# Allegro board HB1A-AAFM.brd (continued)
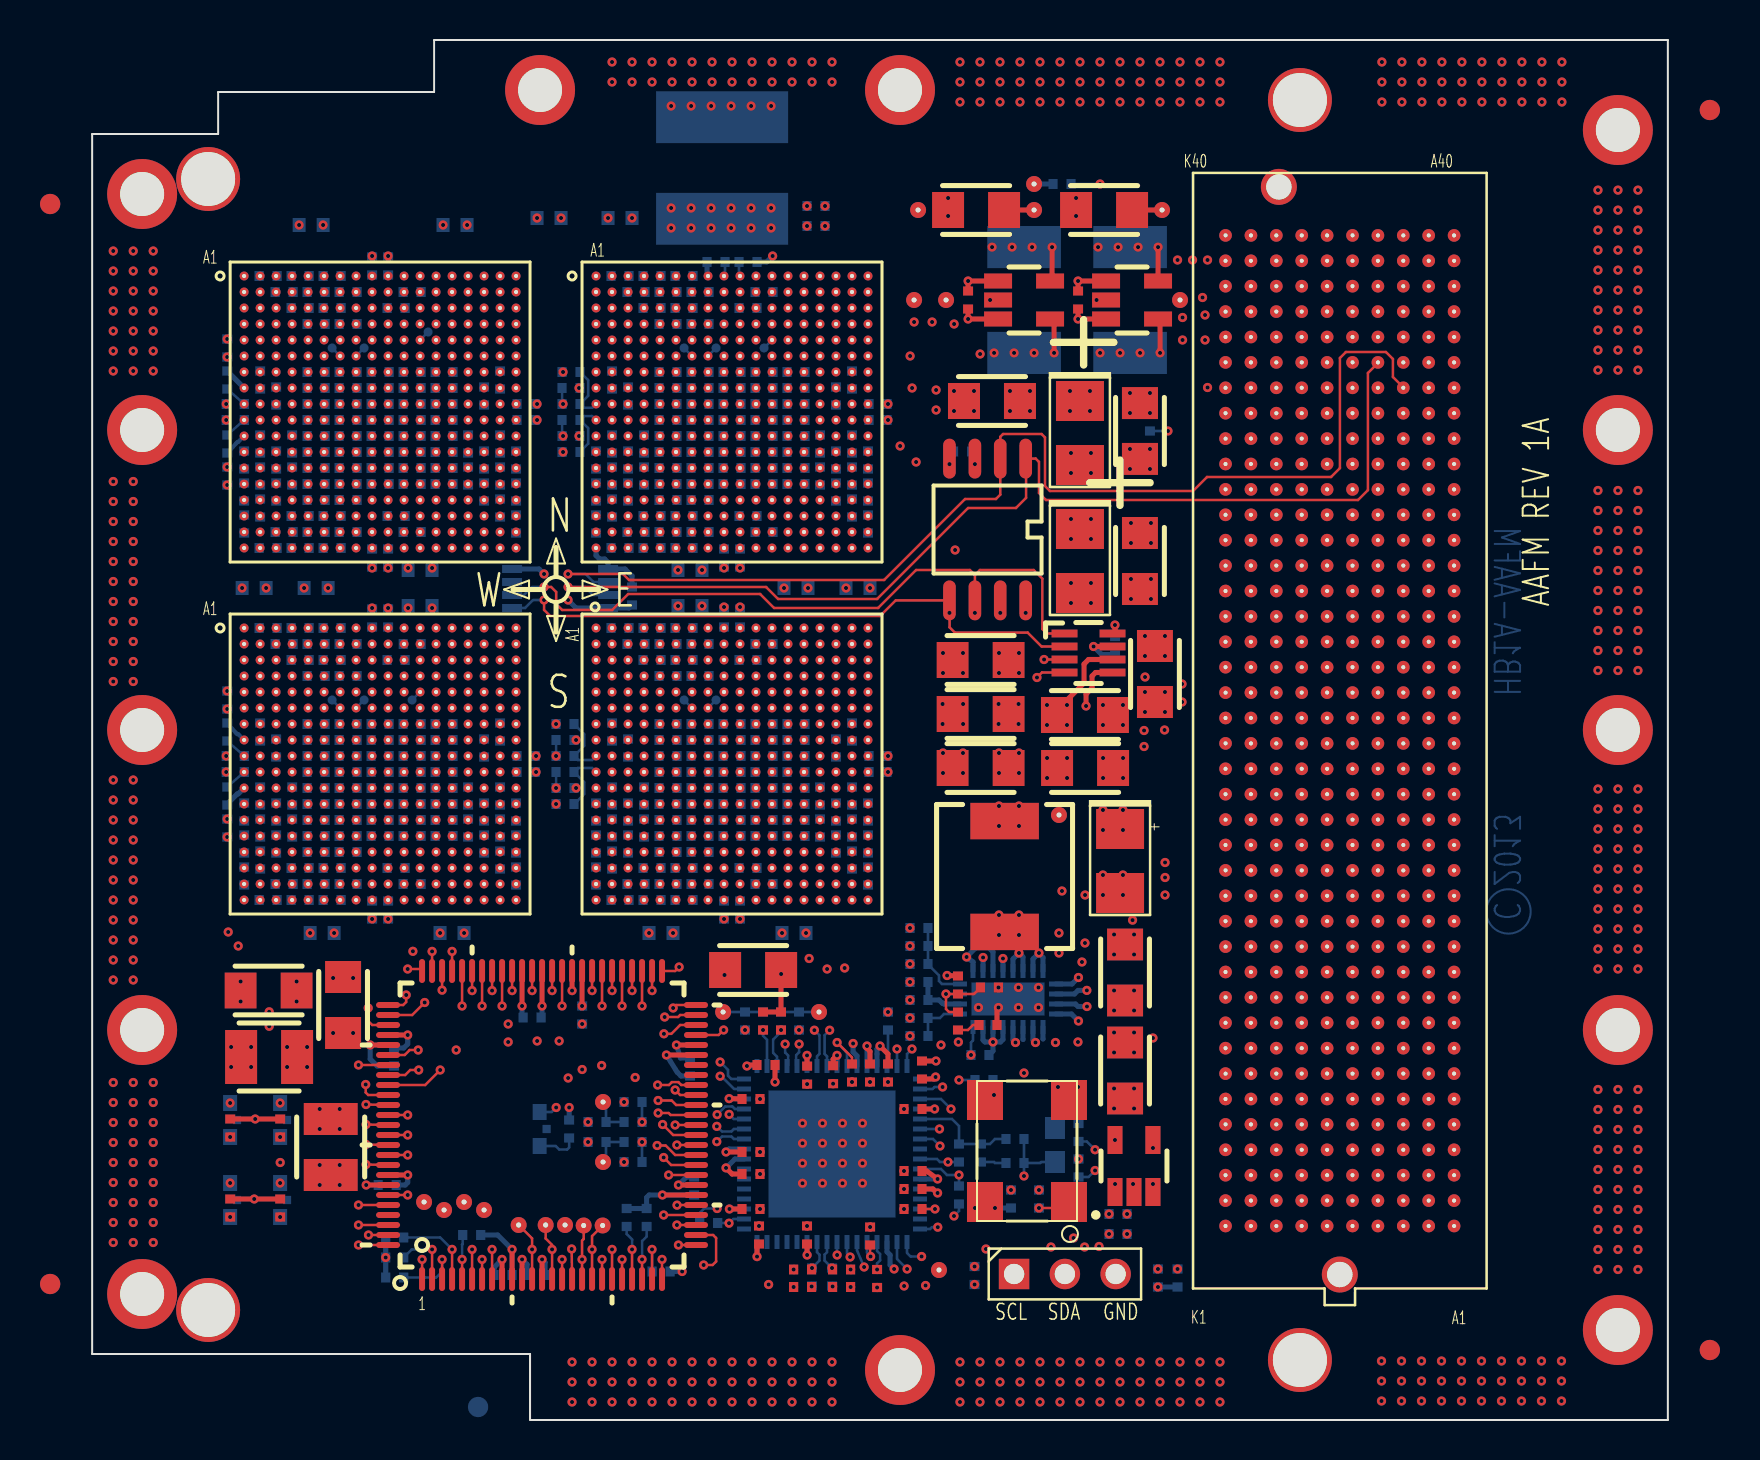
[diagram p0: board, top side]
## Routing (per net, layer and track width the routed paths; a pad name or vN(x,y) marks a point on that pad's centre or on a via; arc(x,y) is an arc through that point) (continued)
 20.07,27.12 ; U7.U17 20.73,27.12 ; U7.U17 20.07,26.48 ; 34.47,35.27 U8.F13 ; U8.F13 35.12,35.27 ; U8.F13 34.47,35.92 ; U8.F13 35.12,35.92 ; 36.88,27.27 U8.T16 ; U8.T16 37.52,27.27 ; U8.T16 37.52,27.93 ; U8.T16 36.88,27.93 ; 67.72,49.95 P1.A33 ; P1.A33 68.5,50.73 ; P1.A33 67.72,50.73 ; P1.A33 68.5,49.95 ; U4.L1 25.52,48.88 ; U4.L1 25.52,49.52 ; U4.L1 24.88,48.88 ; U4.L1 24.88,49.52 ; 11.2,54.4 U3.E5 ; P1.K12 57.07,24.06 ; P1.K12 56.29,24.06 ; P1.K12 57.07,23.28 ; P1.K12 56.29,23.28 ; 31.27,31.12 U8.M9 ; U8.M9 31.27,30.48 ; U8.M9 31.92,30.48 ; U8.M9 31.92,31.12 ; P1.F24 62.15,39.3 ; P1.F24 61.37,39.3 ; P1.F24 61.37,38.52 ; P1.F24 62.15,38.52 ; 11.27,52.73 U3.G6 ; U3.G6 11.92,52.73 ; U3.G6 11.27,52.08 ; U3.G6 11.92,52.08 ; 24.88,34.33 U8.H1 ; U8.H1 25.52,33.67 ; U8.H1 25.52,34.33 ; U8.H1 24.88,33.67 ; P1.G29 60.88,44.87 ; P1.G29 60.1,44.87 ; P1.G29 60.88,45.65 ; P1.G29 60.1,45.65 ; 65.18,33.44 P1.C20 ; P1.C20 65.96,34.22 ; P1.C20 65.18,34.22 ; P1.C20 65.96,33.44 ; 17.67,50.48 U3.J14 ; U3.J14 18.32,51.12 ; U3.J14 17.67,51.12 ; U3.J14 18.32,50.48 ; 29.67,34.33 U8.H7 ; U8.H7 29.67,33.67 ; U8.H7 30.32,34.33 ; U8.H7 30.32,33.67 ; 66.45,42.33 P1.B27 ; P1.B27 66.45,43.11 ; P1.B27 67.23,43.11 ; P1.B27 67.23,42.33 ; U8.V8 31.12,25.68 ; U8.V8 30.47,26.32 ; U8.V8 31.12,26.32 ; U8.V8 30.47,25.68 ; U4.N10 32.72,47.27 ; U4.N10 32.08,47.92 ; U4.N10 32.08,47.27 ; U4.N10 32.72,47.92 ; 28.88,35.12 U8.G6 ; U8.G6 29.52,35.12 ; U8.G6 29.52,34.48 ; U8.G6 28.88,34.48 ; 62.64,59.62 P1.E40 ; P1.E40 63.42,59.62 ; P1.E40 63.42,58.84 ; P1.E40 62.64,58.84 ; 63.91,11.85 P1.D3 ; P1.D3 64.69,11.85 ; P1.D3 64.69,12.63 ; P1.D3 63.91,12.63 ; 16.88,51.92 U3.H13 ; U3.H13 17.52,51.92 ; U3.H13 16.88,51.27 ; U3.H13 17.52,51.27 ; P1.C38 65.96,56.3 ; P1.C38 65.18,56.3 ; P1.C38 65.18,57.08 ; P1.C38 65.96,57.08 ; P1.J23 58.34,38.03 ; P1.J23 58.34,37.25 ; P1.J23 57.56,37.25 ; P1.J23 57.56,38.03 ; 10.48,47.12 U3.P5 ; U3.P5 11.12,47.12 ; U3.P5 10.48,46.48 ; U3.P5 11.12,46.48 ; 28.07,48.73 U4.M5 ; U4.M5 28.72,48.73 ; U4.M5 28.72,48.08 ; U4.M5 28.07,48.08 ; U7.V8 13.52,25.68 ; U7.V8 13.52,26.32 ; U7.V8 12.88,25.68 ; U7.V8 12.88,26.32 ; U4.V11 33.52,43.27 ; U4.V11 33.52,43.92 ; U4.V11 32.88,43.27 ; U4.V11 32.88,43.92 ; 34.47,31.12 U8.M13 ; U8.M13 34.47,30.48 ; U8.M13 35.12,30.48 ; U8.M13 35.12,31.12 ; 66.45,57.57 P1.B39 ; P1.B39 67.23,57.57 ; P1.B39 66.45,58.35 ; P1.B39 67.23,58.35 ; U3.E13 17.52,53.67 ; U3.E13 16.88,54.33 ; U3.E13 16.88,53.67 ; U3.E13 17.52,54.33 ; 67.72,10.09 P1.A1 ; P1.A1 68.5,9.31 ; P1.A1 67.72,9.31 ; P1.A1 68.5,10.09 ; 12,53.6 U3.F6 ; 35.27,29.68 U8.N14 ; U8.N14 35.92,29.68 ; U8.N14 35.27,30.32 ; U8.N14 35.92,30.32 ; 20.07,44.73 U3.U17 ; U3.U17 20.73,44.73 ; U3.U17 20.07,44.08 ; U3.U17 20.73,44.08 ; U4.G12 34.33,52.08 ; U4.G12 33.67,52.08 ; U4.G12 33.67,52.73 ; U4.G12 34.33,52.73 ; 60.1,10.09 P1.G1 ; P1.G1 60.1,9.31 ; P1.G1 60.88,9.31 ; P1.G1 60.88,10.09 ; U7.N8 13.52,29.68 ; U7.N8 12.88,29.68 ; U7.N8 13.52,30.32 ; U7.N8 12.88,30.32 ; P1.B11 67.23,22.01 ; P1.B11 66.45,22.79 ; P1.B11 67.23,22.79 ; P1.B11 66.45,22.01 ; U3.N14 18.32,47.92 ; U3.N14 18.32,47.27 ; U3.N14 17.67,47.92 ; U3.N14 17.67,47.27 ; 34.47,28.88 U8.P13 ; U8.P13 34.47,29.52 ; U8.P13 35.12,28.88 ; U8.P13 35.12,29.52 ; 57.56,15.17 P1.J5 ; P1.J5 58.34,14.39 ; P1.J5 58.34,15.17 ; P1.J5 57.56,14.39 ; 36.88,55.92 U4.C16 ; U4.C16 37.52,55.92 ; U4.C16 36.88,55.27 ; U4.C16 37.52,55.27 ; 9.67,28.73 U7.R4 ; U7.R4 10.32,28.07 ; U7.R4 9.67,28.07 ; U7.R4 10.32,28.73 ; 36.08,54.48 U4.D15 ; U4.D15 36.72,54.48 ; U4.D15 36.72,55.12 ; U4.D15 36.08,55.12 ; P1.E26 63.42,41.06 ; P1.E26 63.42,41.84 ; P1.E26 62.64,41.84 ; P1.E26 62.64,41.06 ; 61.37,16.44 P1.F6 ; P1.F6 62.15,15.66 ; P1.F6 61.37,15.66 ; P1.F6 62.15,16.44 ; U4.H11 33.52,51.92 ; U4.H11 32.88,51.92 ; U4.H11 32.88,51.27 ; U4.H11 33.52,51.27 ; 58.83,23.28 P1.H12 ; P1.H12 59.61,23.28 ; P1.H12 59.61,24.06 ; P1.H12 58.83,24.06 ; 60.1,59.62 P1.G40 ; P1.G40 60.1,58.84 ; P1.G40 60.88,58.84 ; P1.G40 60.88,59.62 ; 16.88,49.67 U3.K13 ; U3.K13 17.52,50.33 ; U3.K13 16.88,50.33 ; U3.K13 17.52,49.67 ; U3.E14 18.32,53.67 ; U3.E14 18.32,54.33 ; U3.E14 17.67,53.67 ; U3.E14 17.67,54.33 ; P1.D37 64.69,55.81 ; P1.D37 63.91,55.03 ; P1.D37 63.91,55.81 ; P1.D37 64.69,55.03 ; P1.F3 62.15,11.85 ; P1.F3 61.37,11.85 ; P1.F3 62.15,12.63 ; P1.F3 61.37,12.63 ; 66.45,37.25 P1.B23 ; P1.B23 66.45,38.03 ; P1.B23 67.23,38.03 ; P1.B23 67.23,37.25 ; 14.48,51.12 U3.J10 ; U3.J10 14.48,50.48 ; U3.J10 15.12,51.12 ; U3.J10 15.12,50.48 ; 57.56,52.49 P1.J35 ; P1.J35 58.34,52.49 ; P1.J35 58.34,53.27 ; P1.J35 57.56,53.27 ; 8.07,44.73 U3.U2 ; U3.U2 8.73,44.08 ; U3.U2 8.73,44.73 ; U3.U2 8.07,44.08 ; U8.C16 37.52,38.33 ; U8.C16 36.88,37.67 ; U8.C16 36.88,38.33 ; U8.C16 37.52,37.67 ; 62.64,37.25 P1.E23 ; P1.E23 62.64,38.03 ; P1.E23 63.42,37.25 ; P1.E23 63.42,38.03 ; U7.G8 13.52,34.48 ; U7.G8 12.88,34.48 ; U7.G8 12.88,35.12 ; U7.G8 13.52,35.12 ; 61.37,10.58 P1.F2 ; P1.F2 62.15,11.36 ; P1.F2 62.15,10.58 ; P1.F2 61.37,11.36 ; U4.V18 39.12,43.27 ; U4.V18 38.47,43.27 ; U4.V18 39.12,43.92 ; U4.V18 38.47,43.92 ; P1.A25 68.5,39.79 ; P1.A25 67.72,39.79 ; P1.A25 68.5,40.57 ; P1.A25 67.72,40.57 ; 65.18,18.2 P1.C8 ; P1.C8 65.96,18.2 ; P1.C8 65.18,18.98 ; P1.C8 65.96,18.98 ; 57.56,56.3 P1.J38 ; P1.J38 57.56,57.08 ; P1.J38 58.34,57.08 ; P1.J38 58.34,56.3 ; U4.P9 31.92,46.48 ; U4.P9 31.27,46.48 ; U4.P9 31.92,47.12 ; U4.P9 31.27,47.12 ; U7.L18 21.52,31.27 ; U7.L18 21.52,31.93 ; U7.L18 20.88,31.93 ; U7.L18 20.88,31.27 ; U4.H7 30.32,51.92 ; U4.H7 29.67,51.27 ; U4.H7 30.32,51.27 ; U4.H7 29.67,51.92 ; 12.88,56.88 U3.A8 ; U3.A8 12.88,57.52 ; U3.A8 13.52,57.52 ; U3.A8 13.52,56.88 ; 24.88,51.92 U4.H1 ; U4.H1 25.52,51.92 ; U4.H1 25.52,51.27 ; U4.H1 24.88,51.27 ; 7.27,31.27 U7.L1 ; U7.L1 7.92,31.93 ; U7.L1 7.27,31.93 ; U7.L1 7.92,31.27 ; 24.88,43.92 U4.V1 ; U4.V1 25.52,43.92 ; U4.V1 25.52,43.27 ; U4.V1 24.88,43.27 ; P1.C24 65.96,39.3 ; P1.C24 65.96,38.52 ; P1.C24 65.18,39.3 ; P1.C24 65.18,38.52 ; U7.H18 21.52,34.33 ; U7.H18 21.52,33.67 ; U7.H18 20.88,33.67 ; U7.H18 20.88,34.33 ; U7.V1 7.92,26.32 ; U7.V1 7.27,25.68 ; U7.V1 7.92,25.68 ; U7.V1 7.27,26.32 ; U8.E14 35.92,36.73 ; U8.E14 35.27,36.08 ; U8.E14 35.27,36.73 ; U8.E14 35.92,36.08 ; U3.B2 8.73,56.08 ; U3.B2 8.73,56.73 ; U3.B2 8.07,56.08 ; U3.B2 8.07,56.73 ; U4.G10 32.72,52.73 ; U4.G10 32.72,52.08 ; U4.G10 32.08,52.73 ; U4.G10 32.08,52.08 ; P1.C1 65.96,10.09 ; P1.C1 65.18,9.31 ; P1.C1 65.18,10.09 ; P1.C1 65.96,9.31 ; P1.B22 67.23,35.98 ; P1.B22 66.45,36.76 ; P1.B22 66.45,35.98 ; P1.B22 67.23,36.76 ; 32.88,39.92 U8.A11 ; U8.A11 33.52,39.92 ; U8.A11 32.88,39.27 ; U8.A11 33.52,39.27 ; P1.J32 58.34,49.46 ; P1.J32 57.56,48.68 ; P1.J32 58.34,48.68 ; P1.J32 57.56,49.46 ; 34.47,49.67 U4.K13 ; U4.K13 34.47,50.33 ; U4.K13 35.12,50.33 ; U4.K13 35.12,49.67 ; U4.R4 27.92,46.33 ; U4.R4 27.27,45.67 ; U4.R4 27.92,45.67 ; U4.R4 27.27,46.33 ; 34.47,48.08 U4.M13 ; U4.M13 35.12,48.08 ; U4.M13 34.47,48.73 ; U4.M13 35.12,48.73 ; 62.64,22.01 P1.E11 ; P1.E11 63.42,22.01 ; P1.E11 63.42,22.79 ; P1.E11 62.64,22.79 ; 65.18,20.25 P1.C9 ; P1.C9 65.18,19.47 ; P1.C9 65.96,20.25 ; P1.C9 65.96,19.47 ; 10.48,51.92 U3.H5 ; U3.H5 11.12,51.27 ; U3.H5 10.48,51.27 ; U3.H5 11.12,51.92 ; 25.67,56.73 U4.B2 ; U4.B2 26.32,56.08 ; U4.B2 26.32,56.73 ; U4.B2 25.67,56.08 ; 63.91,10.58 P1.D2 ; P1.D2 63.91,11.36 ; P1.D2 64.69,10.58 ; P1.D2 64.69,11.36 ; 33.67,47.27 U4.N12 ; U4.N12 33.67,47.92 ; U4.N12 34.33,47.92 ; U4.N12 34.33,47.27 ; P1.F36 62.15,53.76 ; P1.F36 61.37,54.54 ; P1.F36 61.37,53.76 ; P1.F36 62.15,54.54 ; 66.45,46.14 P1.B30 ; P1.B30 66.45,46.92 ; P1.B30 67.23,46.14 ; P1.B30 67.23,46.92 ; U3.L8 13.52,48.88 ; U3.L8 13.52,49.52 ; U3.L8 12.88,49.52 ; U3.L8 12.88,48.88 ; 12.88,39.27 U7.A8 ; U7.A8 12.88,39.92 ; U7.A8 13.52,39.92 ; U7.A8 13.52,39.27 ; 58.83,11.85 P1.H3 ; P1.H3 59.61,11.85 ; P1.H3 58.83,12.63 ; P1.H3 59.61,12.63 ; U7.E6 11.92,36.08 ; U7.E6 11.27,36.08 ; U7.E6 11.92,36.73 ; U7.E6 11.27,36.73 ; 26.48,27.27 U8.T3 ; U8.T3 26.48,27.93 ; U8.T3 27.12,27.27 ; U8.T3 27.12,27.93 ; U4.E13 35.12,54.33 ; U4.E13 35.12,53.67 ; U4.E13 34.47,54.33 ; U4.E13 34.47,53.67 ; 35.27,52.73 U4.G14 ; U4.G14 35.27,52.08 ; U4.G14 35.92,52.08 ; U4.G14 35.92,52.73 ; U8.K11 33.52,32.08 ; U8.K11 32.88,32.73 ; U8.K11 32.88,32.08 ; U8.K11 33.52,32.73 ; P1.K27 57.07,42.33 ; P1.K27 57.07,43.11 ; P1.K27 56.29,43.11 ; P1.K27 56.29,42.33 ; 61.37,58.35 P1.F39 ; P1.F39 61.37,57.57 ; P1.F39 62.15,58.35 ; P1.F39 62.15,57.57 ; U8.M7 30.32,31.12 ; U8.M7 30.32,30.48 ; U8.M7 29.67,30.48 ; U8.M7 29.67,31.12 ; P1.J14 58.34,25.82 ; P1.J14 57.56,25.82 ; P1.J14 58.34,26.6 ; P1.J14 57.56,26.6 ; U3.G14 18.32,52.08 ; U3.G14 18.32,52.73 ; U3.G14 17.67,52.73 ; U3.G14 17.67,52.08 ; P1.K24 57.07,38.52 ; P1.K24 56.29,39.3 ; P1.K24 56.29,38.52 ; P1.K24 57.07,39.3 ; 27.27,28.07 U8.R4 ; U8.R4 27.92,28.73 ; U8.R4 27.27,28.73 ; U8.R4 27.92,28.07 ; 66.45,25.82 P1.B14 ; P1.B14 67.23,26.6 ; P1.B14 66.45,26.6 ; P1.B14 67.23,25.82 ; 29.67,47.12 U4.P7 ; U4.P7 30.32,46.48 ; U4.P7 29.67,46.48 ; U4.P7 30.32,47.12 ; 12.07,49.67 U3.K7 ; U3.K7 12.73,49.67 ; U3.K7 12.07,50.33 ; U3.K7 12.73,50.33 ; U4.P13 35.12,46.48 ; U4.P13 35.12,47.12 ; U4.P13 34.47,46.48 ; U4.P13 34.47,47.12 ; 61.37,31.68 P1.F18 ; P1.F18 62.15,31.68 ; P1.F18 62.15,30.9 ; P1.F18 61.37,30.9 ; P1.H27 59.61,43.11 ; P1.H27 58.83,43.11 ; P1.H27 58.83,42.33 ; P1.H27 59.61,42.33 ; U8.M11 33.52,31.12 ; U8.M11 32.88,30.48 ; U8.M11 32.88,31.12 ; U8.M11 33.52,30.48 ; 12.88,51.12 U3.J8 ; U3.J8 13.52,50.48 ; U3.J8 13.52,51.12 ; U3.J8 12.88,50.48 ; U8.M5 28.72,31.12 ; U8.M5 28.72,30.48 ; U8.M5 28.07,30.48 ; U8.M5 28.07,31.12 ; 60.1,41.06 P1.G26 ; P1.G26 60.88,41.06 ; P1.G26 60.1,41.84 ; P1.G26 60.88,41.84 ; 34.47,32.73 U8.K13 ; U8.K13 35.12,32.08 ; U8.K13 35.12,32.73 ; U8.K13 34.47,32.08 ; 20.07,38.48 U7.B17 ; U7.B17 20.73,38.48 ; U7.B17 20.07,39.12 ; U7.B17 20.73,39.12 ; P1.A17 68.5,30.41 ; P1.A17 67.72,30.41 ; P1.A17 68.5,29.63 ; P1.A17 67.72,29.63 ; P1.J11 58.34,22.79 ; P1.J11 57.56,22.79 ; P1.J11 57.56,22.01 ; P1.J11 58.34,22.01 ; P1.G32 60.88,49.46 ; P1.G32 60.88,48.68 ; P1.G32 60.1,48.68 ; P1.G32 60.1,49.46 ; P1.G11 60.88,22.79 ; P1.G11 60.88,22.01 ; P1.G11 60.1,22.79 ; P1.G11 60.1,22.01 ; 11.27,48.88 U3.L6 ; U3.L6 11.92,48.88 ; U3.L6 11.92,49.52 ; U3.L6 11.27,49.52 ; P1.K21 57.07,35.49 ; P1.K21 56.29,35.49 ; P1.K21 57.07,34.71 ; P1.K21 56.29,34.71 ; 63.91,16.44 P1.D6 ; P1.D6 64.69,16.44 ; P1.D6 63.91,15.66 ; P1.D6 64.69,15.66 ; U4.R15 36.72,45.67 ; U4.R15 36.72,46.33 ; U4.R15 36.08,45.67 ; U4.R15 36.08,46.33 ; 14.48,30.32 U7.N10 ; U7.N10 15.12,29.68 ; U7.N10 14.48,29.68 ; U7.N10 15.12,30.32 ; P1.F12 62.15,24.06 ; P1.F12 61.37,24.06 ; P1.F12 62.15,23.28 ; P1.F12 61.37,23.28 ; P1.E20 63.42,34.22 ; P1.E20 63.42,33.44 ; P1.E20 62.64,34.22 ; P1.E20 62.64,33.44 ; 66.45,16.44 P1.B6 ; P1.B6 67.23,16.44 ; P1.B6 67.23,15.66 ; P1.B6 66.45,15.66 ; U3.H9 14.32,51.27 ; U3.H9 13.67,51.27 ; U3.H9 14.32,51.92 ; U3.H9 13.67,51.92 ; 57.56,10.09 P1.J1 ; P1.J1 58.34,9.31 ; P1.J1 57.56,9.31 ; P1.J1 58.34,10.09 ; U8.J8 31.12,32.88 ; U8.J8 30.47,32.88 ; U8.J8 30.47,33.52 ; U8.J8 31.12,33.52 ; P1.D22 64.69,35.98 ; P1.D22 63.91,36.76 ; P1.D22 63.91,35.98 ; P1.D22 64.69,36.76 ; U4.J10 32.72,50.48 ; U4.J10 32.08,50.48 ; U4.J10 32.72,51.12 ; U4.J10 32.08,51.12 ; 20.88,56.88 U3.A18 ; U3.A18 21.52,57.52 ; U3.A18 20.88,57.52 ; U3.A18 21.52,56.88 ; 30.47,43.27 U4.V8 ; U4.V8 31.12,43.27 ; U4.V8 30.47,43.92 ; U4.V8 31.12,43.92 ; P1.G4 60.88,13.9 ; P1.G4 60.1,13.9 ; P1.G4 60.88,13.12 ; P1.G4 60.1,13.12 ; 37.67,39.12 U8.B17 ; U8.B17 38.33,39.12 ; U8.B17 38.33,38.48 ; U8.B17 37.67,38.48 ; P1.K3 57.07,12.63 ; P1.K3 56.29,11.85 ; P1.K3 57.07,11.85 ; P1.K3 56.29,12.63 ; U4.A18 39.12,57.52 ; U4.A18 38.47,57.52 ; U4.A18 39.12,56.88 ; U4.A18 38.47,56.88 ; P1.B19 67.23,32.17 ; P1.B19 67.23,32.95 ; P1.B19 66.45,32.95 ; P1.B19 66.45,32.17 ; 32.88,34.33 U8.H11 ; U8.H11 33.52,33.67 ; U8.H11 33.52,34.33 ; U8.H11 32.88,33.67 ; 28.07,35.27 U8.F5 ; U8.F5 28.72,35.27 ; U8.F5 28.07,35.92 ; U8.F5 28.72,35.92 ; U8.P5 28.72,28.88 ; U8.P5 28.07,29.52 ; U8.P5 28.07,28.88 ; U8.P5 28.72,29.52 ; P1.G14 60.88,25.82 ; P1.G14 60.88,26.6 ; P1.G14 60.1,26.6 ; P1.G14 60.1,25.82 ; U3.T3 9.52,44.88 ; U3.T3 8.88,45.52 ; U3.T3 8.88,44.88 ; U3.T3 9.52,45.52 ; 28.88,30.32 U8.N6 ; U8.N6 28.88,29.68 ; U8.N6 29.52,29.68 ; U8.N6 29.52,30.32 ; U7.B2 8.73,38.48 ; U7.B2 8.07,38.48 ; U7.B2 8.73,39.12 ; U7.B2 8.07,39.12 ; P1.K6 57.07,16.44 ; P1.K6 57.07,15.66 ; P1.K6 56.29,16.44 ; P1.K6 56.29,15.66 ; 9.67,55.12 U3.D4 ; U3.D4 9.67,54.48 ; U3.D4 10.32,54.48 ; U3.D4 10.32,55.12 ; 32.88,26.32 U8.V11 ; U8.V11 33.52,26.32 ; U8.V11 32.88,25.68 ; U8.V11 33.52,25.68 ; 35.27,47.27 U4.N14 ; U4.N14 35.92,47.92 ; U4.N14 35.92,47.27 ; U4.N14 35.27,47.92 ; 12.07,33.67 U7.H7 ; U7.H7 12.73,34.33 ; U7.H7 12.73,33.67 ; U7.H7 12.07,34.33 ; 24.88,56.88 U4.A1 ; U4.A1 24.88,57.52 ; U4.A1 25.52,57.52 ; U4.A1 25.52,56.88 ; 63.91,57.57 P1.D39 ; P1.D39 63.91,58.35 ; P1.D39 64.69,57.57 ; P1.D39 64.69,58.35 ; P1.B3 67.23,11.85 ; P1.B3 67.23,12.63 ; P1.B3 66.45,12.63 ; P1.B3 66.45,11.85 ; P1.B7 67.23,17.71 ; P1.B7 66.45,17.71 ; P1.B7 67.23,16.93 ; P1.B7 66.45,16.93 ; U7.V11 15.92,26.32 ; U7.V11 15.92,25.68 ; U7.V11 15.27,26.32 ; U7.V11 15.27,25.68 ; 63.91,20.74 P1.D10 ; P1.D10 64.69,21.52 ; P1.D10 63.91,21.52 ; P1.D10 64.69,20.74 ; U3.R15 19.12,46.33 ; U3.R15 18.48,46.33 ; U3.R15 19.12,45.67 ; U3.R15 18.48,45.67 ; 38.47,51.92 U4.H18 ; U4.H18 39.12,51.27 ; U4.H18 39.12,51.92 ; U4.H18 38.47,51.27 ; U7.K9 14.32,32.08 ; U7.K9 13.67,32.73 ; U7.K9 14.32,32.73 ; U7.K9 13.67,32.08 ; 10.48,48.73 U3.M5 ; U3.M5 11.12,48.73 ; U3.M5 11.12,48.08 ; U3.M5 10.48,48.08 ; P1.F33 62.15,49.95 ; P1.F33 61.37,50.73 ; P1.F33 61.37,49.95 ; P1.F33 62.15,50.73 ; U7.A18 21.52,39.27 ; U7.A18 20.88,39.92 ; U7.A18 20.88,39.27 ; U7.A18 21.52,39.92 ; U8.L18 39.12,31.27 ; U8.L18 38.47,31.93 ; U8.L18 38.47,31.27 ; U8.L18 39.12,31.93 ; P1.C29 65.96,45.65 ; P1.C29 65.96,44.87 ; P1.C29 65.18,44.87 ; P1.C29 65.18,45.65 ; U3.P7 12.73,46.48 ; U3.P7 12.07,47.12 ; U3.P7 12.07,46.48 ; U3.P7 12.73,47.12 ; 12,54.4 U3.E6 ; 28.07,33.67 U8.H5 ; U8.H5 28.72,33.67 ; U8.H5 28.72,34.33 ; U8.H5 28.07,34.33 ; U3.L1 7.92,48.88 ; U3.L1 7.27,48.88 ; U3.L1 7.92,49.52 ; U3.L1 7.27,49.52 ; 28.07,53.52 U4.F5 ; U4.F5 28.07,52.88 ; U4.F5 28.72,52.88 ; U4.F5 28.72,53.52 ; 40.86,60.05 TP9.1 ; TP9.1 41.75,60.05 ; TP9.1 40.86,60.95 ; TP9.1 41.75,60.95 ; 15.27,28.88 U7.P11 ; U7.P11 15.92,29.52 ; U7.P11 15.92,28.88 ; U7.P11 15.27,29.52 ; U7.C3 9.52,37.67 ; U7.C3 9.52,38.33 ; U7.C3 8.88,37.67 ; U7.C3 8.88,38.33 ; U8.E13 35.12,36.73 ; U8.E13 34.47,36.73 ; U8.E13 35.12,36.08 ; U8.E13 34.47,36.08 ; 28.07,32.73 U8.K5 ; U8.K5 28.72,32.08 ; U8.K5 28.07,32.08 ; U8.K5 28.72,32.73 ; P1.A9 68.5,20.25 ; P1.A9 67.72,20.25 ; P1.A9 67.72,19.47 ; P1.A9 68.5,19.47 ; 56.29,27.09 P1.K15 ; P1.K15 57.07,27.87 ; P1.K15 56.29,27.87 ; P1.K15 57.07,27.09 ; P1.B31 67.23,47.41 ; P1.B31 66.45,47.41 ; P1.B31 66.45,48.19 ; P1.B31 67.23,48.19 ; U7.E14 18.32,36.08 ; U7.E14 18.32,36.73 ; U7.E14 17.67,36.73 ; U7.E14 17.67,36.08 ; U4.H13 35.12,51.27 ; U4.H13 34.47,51.27 ; U4.H13 35.12,51.92 ; U4.H13 34.47,51.92 ; 16.07,50.48 U3.J12 ; U3.J12 16.73,50.48 ; U3.J12 16.07,51.12 ; U3.J12 16.73,51.12 ; 31.27,48.08 U4.M9 ; U4.M9 31.27,48.73 ; U4.M9 31.92,48.08 ; U4.M9 31.92,48.73 ; P1.H39 59.61,57.57 ; P1.H39 58.83,58.35 ; P1.H39 58.83,57.57 ; P1.H39 59.61,58.35 ; P1.G20 60.88,34.22 ; P1.G20 60.88,33.44 ; P1.G20 60.1,34.22 ; P1.G20 60.1,33.44 ; U3.D15 19.12,54.48 ; U3.D15 18.48,54.48 ; U3.D15 19.12,55.12 ; U3.D15 18.48,55.12 ; 58.83,31.68 P1.H18 ; P1.H18 59.61,30.9 ; P1.H18 58.83,30.9 ; P1.H18 59.61,31.68 ; 32.08,32.88 U8.J10 ; U8.J10 32.72,33.52 ; U8.J10 32.08,33.52 ; U8.J10 32.72,32.88 ; 35.27,49.52 U4.L14 ; U4.L14 35.92,49.52 ; U4.L14 35.92,48.88 ; U4.L14 35.27,48.88 ; P1.H30 59.61,46.14 ; P1.H30 58.83,46.14 ; P1.H30 59.61,46.92 ; P1.H30 58.83,46.92 ; U8.D4 27.92,36.88 ; U8.D4 27.27,36.88 ; U8.D4 27.27,37.52 ; U8.D4 27.92,37.52 ; U7.G12 16.73,34.48 ; U7.G12 16.07,34.48 ; U7.G12 16.73,35.12 ; U7.G12 16.07,35.12 ; P1.E5 63.42,14.39 ; P1.E5 63.42,15.17 ; P1.E5 62.64,14.39 ; P1.E5 62.64,15.17 ; 58.83,16.44 P1.H6 ; P1.H6 59.61,16.44 ; P1.H6 58.83,15.66 ; P1.H6 59.61,15.66 ; U3.N10 15.12,47.27 ; U3.N10 14.48,47.27 ; U3.N10 15.12,47.92 ; U3.N10 14.48,47.92 ; 10.48,36.08 U7.E5 ; U7.E5 11.12,36.08 ; U7.E5 10.48,36.73 ; U7.E5 11.12,36.73 ; U3.H1 7.92,51.27 ; U3.H1 7.92,51.92 ; U3.H1 7.27,51.27 ; U3.H1 7.27,51.92 ; U3.V18 21.52,43.92 ; U3.V18 20.88,43.27 ; U3.V18 20.88,43.92 ; U3.V18 21.52,43.27 ; U7.F13 17.52,35.92 ; U7.F13 16.88,35.92 ; U7.F13 16.88,35.27 ; U7.F13 17.52,35.27 ; P1.C32 65.96,49.46 ; P1.C32 65.18,48.68 ; P1.C32 65.18,49.46 ; P1.C32 65.96,48.68 ; U8.E5 28.72,36.73 ; U8.E5 28.07,36.73 ; U8.E5 28.07,36.08 ; U8.E5 28.72,36.08